# Altium PCB Enigma Rev A.PcbDoc (part 4 of 7)
Units mm, origin at the board's own origin, x right, y up, seen from the top; angles counter-clockwise.
Board outline 239.08 x 138 mm, 6 copper layers (Component Side, Ground Plane (GND), Inner Layer 1, Inner Layer 2, Power Plane (VCC), Solder Side), stack 1.297 mm thick; 563 components, 654 nets, 2409 pads, 1102 vias.
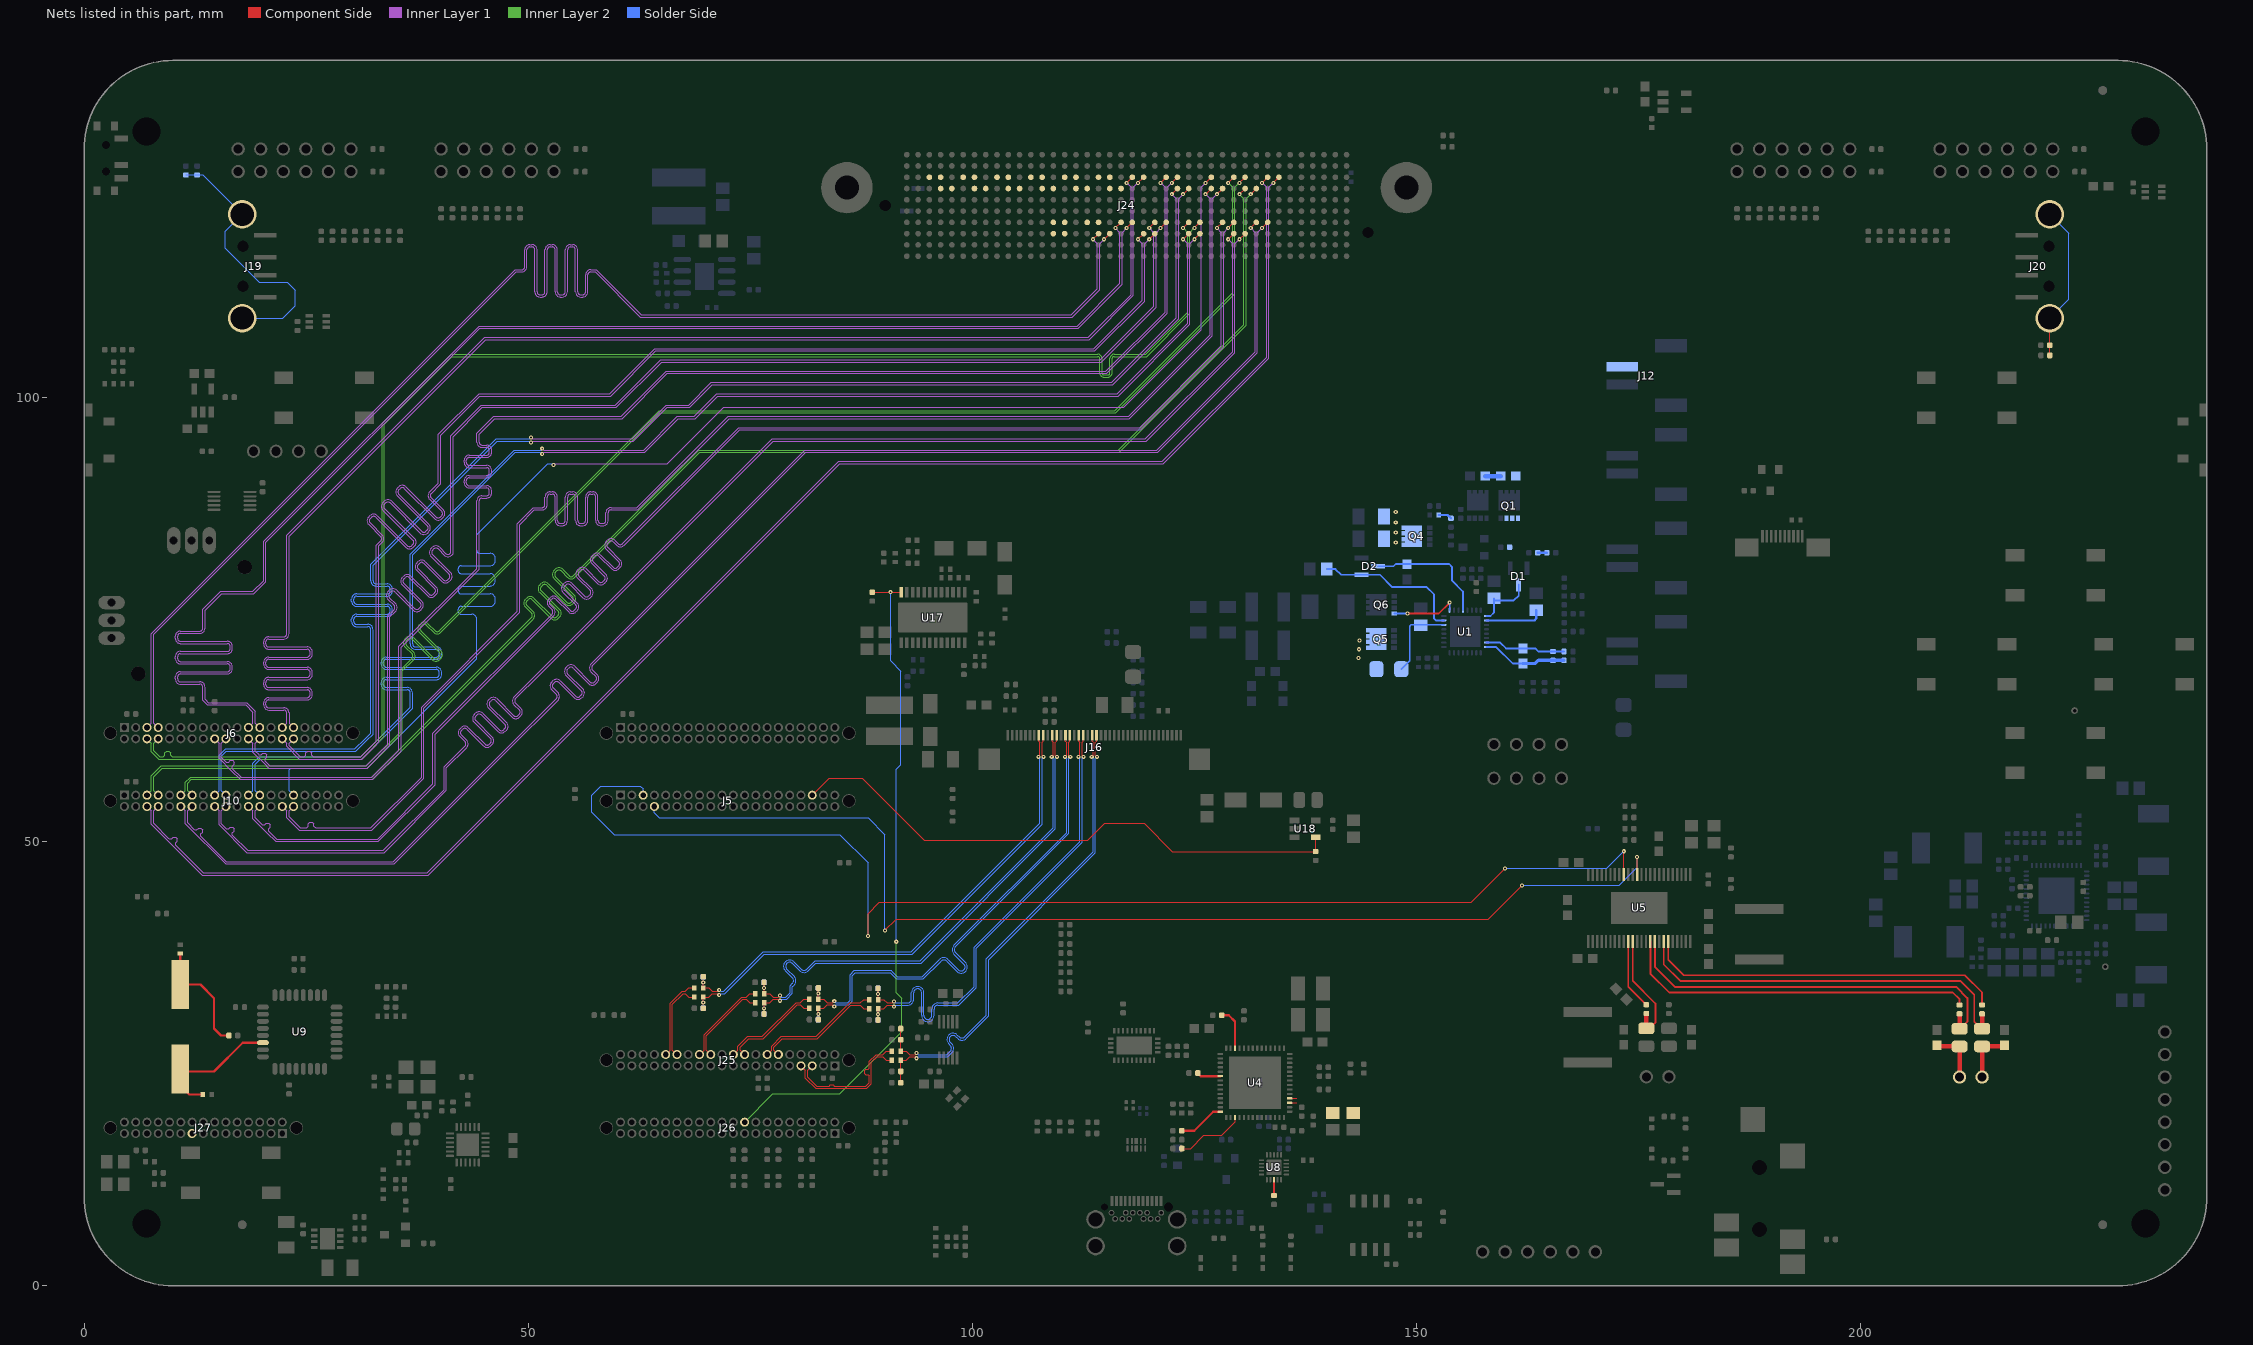
[diagram p8: the nets of this part, all layers, seen from the top]

## Via types
v1: diameter 0.457, hole 0.203, Component Side to Solder Side, tented top, 1032 vias
v2: diameter 0.5, hole 0.2, Component Side to Solder Side, 55 vias
v3: diameter 0.457, hole 0.203, Component Side to Solder Side, 9 vias
v4: diameter 0.5, hole 0.2, Component Side to Solder Side, tented both sides, 6 vias

## Nets (pads, with @x,y where several pads share a name; then routed paths per layer and width w, separated by ;. In a path a pad name is that pad's centre, name@x,y a point inside that pad or via, vN(x,y) a via of type N, cw(c..) or ccw(c..) an arc to the next point about the centre after c; other vN are vias at no path point) (continued)
LA02_P: J10.31 J24.H13 | length 174.7
  Component Side w0.127: v1(126.286,124.206) J24.H13@126.921,124.841
  Inner Layer 1 w0.127: v1(52.832,92.418) 52.997,92.583 65.637,92.583 71.987,98.933 117.072,98.933 125.778,107.639 125.778,123.698 v1(126.286,124.206)
  Solder Side w0.127: J10.31@23.561,55.245 23.053,55.753 23.053,58.105 23.241,58.293 31.855,58.293 44.196,70.634 44.196,75.044 ccw(c43.612,75.044) 43.612,75.629 42.434,75.629 cw(c42.434,75.959) 42.104,75.959 42.104,76.187 cw(c42.434,76.187) 42.434,76.517 45.704,76.517 ccw(c45.704,77.102) 46.288,77.102 46.288,77.33 ccw(c45.704,77.33) 45.704,77.915 42.434,77.915 cw(c42.434,78.245) 42.104,78.245 42.104,78.473 cw(c42.434,78.473) 42.434,78.803 45.704,78.803 ccw(c45.704,79.388) 46.288,79.388 46.288,79.616 ccw(c45.704,79.616) 45.704,80.2 42.434,80.2 cw(c42.434,80.531) 42.104,80.531 42.104,80.759 cw(c42.434,80.759) 42.434,81.09 45.704,81.09 ccw(c45.704,81.674) 46.288,81.674 46.288,81.902 ccw(c45.704,81.902) 45.704,82.486 44.526,82.486 cw(c44.526,82.817) 44.196,82.817 44.196,84.582 52.197,92.583 52.705,92.583 52.832,92.456 v1(52.832,92.418)
LA03_N: J10.23 J24.C15 | length 174.7
  Component Side w0.127: v1(123.746,117.856) J24.C15@124.381,118.491
  Inner Layer 1 w0.127: v1(51.562,94.272) 51.727,94.107 62.992,94.107 66.802,97.917 68.707,97.917 71.247,100.457 116.332,100.457 124.254,108.379 124.254,117.348 v1(123.746,117.856)
  Solder Side w0.127: J10.23@18.481,55.245 18.989,55.753 18.989,58.845 19.707,59.563 31.115,59.563 36.703,65.151 36.703,66.789 ccw(c36.373,66.789) 36.373,67.12 34.013,67.12 cw(c34.013,67.704) 33.429,67.704 33.429,67.932 cw(c34.013,67.932) 34.013,68.516 39.647,68.516 ccw(c39.647,68.847) 39.977,68.847 39.977,69.075 ccw(c39.647,69.075) 39.647,69.406 34.013,69.406 cw(c34.013,69.99) 33.429,69.99 33.429,70.218 cw(c34.013,70.218) 34.013,70.802 39.647,70.802 ccw(c39.647,71.133) 39.977,71.133 39.977,71.361 ccw(c39.647,71.361) 39.647,71.691 37.287,71.691 cw(c37.287,72.276) 36.703,72.276 36.703,82.401 48.409,94.107 51.435,94.107 51.562,94.234 v1(51.562,94.272)
LA03_P: J10.25 J24.C14 | length 174.7
  Component Side w0.127: v1(125.016,117.856) J24.C14@125.651,118.491
  Inner Layer 1 w0.127: v1(51.562,93.688) 51.727,93.853 63.097,93.853 66.907,97.663 68.812,97.663 71.352,100.203 116.437,100.203 124.508,108.274 124.508,117.348 v1(125.016,117.856)
  Solder Side w0.127: J10.25@19.751,55.245 19.243,55.753 19.243,58.74 19.812,59.309 31.22,59.309 36.957,65.046 36.957,66.789 ccw(c36.373,66.789) 36.373,67.373 34.013,67.373 cw(c34.013,67.704) 33.683,67.704 33.683,67.932 cw(c34.013,67.932) 34.013,68.263 39.647,68.263 ccw(c39.647,68.847) 40.231,68.847 40.231,69.075 ccw(c39.647,69.075) 39.647,69.659 34.013,69.659 cw(c34.013,69.99) 33.683,69.99 33.683,70.218 cw(c34.013,70.218) 34.013,70.549 39.647,70.549 ccw(c39.647,71.133) 40.231,71.133 40.231,71.361 ccw(c39.647,71.361) 39.647,71.945 37.287,71.945 cw(c37.287,72.276) 36.957,72.276 36.957,82.296 48.514,93.853 51.435,93.853 51.562,93.726 v1(51.562,93.688)
LA04_N: J10.17 J24.G16 | length 174.7
  Component Side w0.127: v1(122.476,122.936) J24.G16@123.111,123.571
  Inner Layer 1 w0.127: v1(50.292,95.542) 50.457,95.377 61.722,95.377 65.532,99.187 68.072,99.187 70.612,101.727 115.697,101.727 122.984,109.014 122.984,122.428 v1(122.476,122.936)
  Solder Side w0.127: J10.17@14.671,55.245 15.179,55.753 15.179,59.734 15.897,60.452 30.48,60.452 31.623,61.595 32.258,62.23 32.258,73.901 ccw(c31.928,73.901) 31.928,74.231 30.669,74.231 cw(c30.669,74.816) 30.085,74.816 30.085,75.044 cw(c30.669,75.044) 30.669,75.629 34.101,75.629 ccw(c34.101,75.959) 34.431,75.959 34.431,76.187 ccw(c34.101,76.187) 34.101,76.517 30.669,76.517 cw(c30.669,77.102) 30.085,77.102 30.085,77.33 cw(c30.669,77.33) 30.669,77.915 34.101,77.915 ccw(c34.101,78.245) 34.431,78.245 34.431,78.473 ccw(c34.101,78.473) 34.101,78.803 32.842,78.803 cw(c32.842,79.388) 32.258,79.388 32.258,81.258 46.377,95.377 50.165,95.377 50.292,95.504 v1(50.292,95.542)
LA04_P: J10.19 J24.G15 | length 174.7
  Component Side w0.127: v1(123.746,122.936) J24.G15@124.381,123.571
  Inner Layer 1 w0.127: v1(50.292,94.958) 50.457,95.123 61.827,95.123 65.637,98.933 68.177,98.933 70.717,101.473 115.802,101.473 123.238,108.909 123.238,122.428 v1(123.746,122.936)
  Solder Side w0.127: J10.19@15.941,55.245 15.433,55.753 15.433,59.629 16.002,60.198 30.585,60.198 31.803,61.415 32.512,62.125 32.512,73.901 ccw(c31.928,73.901) 31.928,74.486 30.669,74.486 cw(c30.669,74.816) 30.339,74.816 30.339,75.044 cw(c30.669,75.044) 30.669,75.374 34.101,75.374 ccw(c34.101,75.959) 34.685,75.959 34.685,76.187 ccw(c34.101,76.187) 34.101,76.772 30.669,76.772 cw(c30.669,77.102) 30.339,77.102 30.339,77.33 cw(c30.669,77.33) 30.669,77.66 34.101,77.66 ccw(c34.101,78.245) 34.685,78.245 34.685,78.473 ccw(c34.101,78.473) 34.101,79.057 32.842,79.057 cw(c32.842,79.388) 32.512,79.388 32.512,81.153 46.482,95.123 50.165,95.123 50.292,94.996 v1(50.292,94.958)
LA05_N: J10.11 J24.G10 | length 175.1
  Component Side w0.127: v1(130.096,122.936) J24.G10@130.731,123.571
  Inner Layer 2 w0.127: J10.11@10.861,55.245 11.369,55.753 11.369,56.686 11.96,57.277 32.385,57.277 37.338,62.23 50.373,75.265 ccw(c50.139,75.498) 50.47,75.498 ccw(c50.139,75.498) 50.373,75.732 49.645,76.459 cw(c50.058,76.873) 49.645,77.286 49.807,77.447 cw(c50.22,77.034) 50.633,77.447 52.735,75.345 ccw(c52.968,75.579) 53.202,75.345 53.364,75.507 ccw(c53.13,75.74) 53.46,75.74 ccw(c53.13,75.74) 53.364,75.974 51.262,78.076 cw(c51.675,78.489) 51.262,78.902 51.423,79.064 cw(c51.836,78.651) 52.249,79.064 54.351,76.962 ccw(c54.585,77.195) 54.818,76.962 54.98,77.123 ccw(c54.746,77.357) 55.077,77.357 ccw(c54.746,77.357) 54.98,77.59 52.878,79.692 cw(c53.291,80.105) 52.878,80.519 53.04,80.68 cw(c53.453,80.267) 53.866,80.68 54.594,79.953 ccw(c54.827,80.186) 55.061,79.953 69.215,94.107 116.459,94.107 130.604,108.252 130.604,113.411 130.604,122.428 v1(130.096,122.936)
LA05_P: J10.13 J24.G9 | length 175.1
  Component Side w0.127: v1(131.366,122.936) J24.G9@132.001,123.571
  Inner Layer 2 w0.127: J10.13@12.131,55.245 11.623,55.753 11.623,56.581 12.065,57.023 32.49,57.023 37.592,62.125 50.552,75.085 ccw(c50.139,75.498) 50.724,75.498 ccw(c50.139,75.498) 50.552,75.911 49.825,76.639 cw(c50.058,76.873) 49.825,77.106 49.986,77.268 cw(c50.22,77.034) 50.453,77.268 52.555,75.166 ccw(c52.968,75.579) 53.381,75.166 53.543,75.327 ccw(c53.13,75.74) 53.714,75.74 ccw(c53.13,75.74) 53.543,76.154 51.441,78.256 cw(c51.675,78.489) 51.441,78.723 51.603,78.884 cw(c51.836,78.651) 52.07,78.884 54.172,76.782 ccw(c54.585,77.195) 54.998,76.782 55.16,76.944 ccw(c54.746,77.357) 55.331,77.357 ccw(c54.746,77.357) 55.16,77.77 53.058,79.872 cw(c53.291,80.105) 53.058,80.339 53.219,80.501 cw(c53.453,80.267) 53.686,80.501 54.414,79.773 ccw(c54.827,80.186) 55.24,79.773 69.32,93.853 116.564,93.853 130.858,108.147 130.858,113.411 130.858,122.428 v1(131.366,122.936)
LA06_N: J10.5 J24.H11 | length 175.1
  Component Side w0.127: v1(128.826,124.206) J24.H11@129.461,124.841
  Inner Layer 2 w0.127: J10.5@7.051,55.245 7.559,55.753 7.559,57.448 8.658,58.547 31.75,58.547 35.56,62.357 35.56,69.342 36.911,70.693 ccw(c36.677,70.926) 37.008,70.926 ccw(c36.677,70.926) 36.911,71.16 36.098,71.973 cw(c36.511,72.386) 36.098,72.799 36.259,72.961 cw(c36.673,72.548) 37.086,72.961 39.358,70.688 ccw(c39.592,70.922) 39.825,70.688 39.987,70.85 ccw(c39.753,71.083) 40.084,71.083 ccw(c39.753,71.083) 39.987,71.317 37.714,73.589 cw(c38.127,74.002) 37.714,74.415 37.876,74.577 cw(c38.289,74.164) 38.702,74.577 39.515,73.764 ccw(c39.749,73.998) 39.982,73.764 64.77,98.552 116.078,98.552 129.334,111.808 129.334,113.411 129.334,123.698 v1(128.826,124.206)
LA06_P: J10.7 J24.H10 | length 175.1
  Component Side w0.127: v1(130.096,124.206) J24.H10@130.731,124.841
  Inner Layer 2 w0.127: J10.7@8.321,55.245 7.813,55.753 7.813,57.343 8.763,58.293 31.855,58.293 35.814,62.252 35.814,69.237 37.09,70.513 ccw(c36.677,70.926) 37.262,70.926 ccw(c36.677,70.926) 37.09,71.339 36.277,72.152 cw(c36.511,72.386) 36.277,72.619 36.439,72.781 cw(c36.673,72.548) 36.906,72.781 39.179,70.508 ccw(c39.592,70.922) 40.005,70.508 40.166,70.67 ccw(c39.753,71.083) 40.338,71.083 ccw(c39.753,71.083) 40.166,71.496 37.894,73.769 cw(c38.127,74.002) 37.894,74.236 38.056,74.397 cw(c38.289,74.164) 38.522,74.397 39.335,73.584 ccw(c39.749,73.998) 40.162,73.584 64.875,98.298 116.183,98.298 129.588,111.703 129.588,113.411 129.588,123.698 v1(130.096,124.206)
LA07_N: J10.32 J24.G13 | length 175.4
  Component Side w0.127: v1(126.286,122.936) J24.G13@126.921,123.571
  Inner Layer 1 w0.127: J10.32@23.561,53.975 23.053,53.467 23.053,52.832 24.323,51.562 24.892,51.562 25.019,51.562 25.209,51.752 25.209,52.016 25.4,52.206 25.654,52.206 25.845,52.016 25.845,51.752 26.035,51.562 32.258,51.562 37.973,57.277 37.973,65.151 48.768,75.946 48.768,85.83 50.568,87.63 51.549,87.63 ccw(c51.549,87.96) 51.879,87.96 51.879,88.824 cw(c52.464,88.824) 52.464,89.408 52.692,89.408 cw(c52.692,88.824) 53.276,88.824 53.276,86.182 ccw(c53.607,86.182) 53.607,85.852 53.835,85.852 ccw(c53.835,86.182) 54.165,86.182 54.165,88.824 cw(c54.75,88.824) 54.75,89.408 54.978,89.408 cw(c54.978,88.824) 55.562,88.824 55.562,86.182 ccw(c55.893,86.182) 55.893,85.852 56.121,85.852 ccw(c56.121,86.182) 56.451,86.182 56.451,88.824 cw(c57.036,88.824) 57.036,89.408 57.264,89.408 cw(c57.264,88.824) 57.848,88.824 57.848,86.182 ccw(c58.179,86.182) 58.179,85.852 58.407,85.852 ccw(c58.407,86.182) 58.737,86.182 58.737,87.046 cw(c59.322,87.046) 59.322,87.63 62.23,87.63 72.517,97.917 117.602,97.917 126.794,107.109 126.794,122.428 v1(126.286,122.936)
LA07_P: J10.30 J24.G12 | length 175.4
  Component Side w0.127: v1(127.556,122.936) J24.G12@128.191,123.571
  Inner Layer 1 w0.127: J10.30@22.291,53.975 22.799,53.467 22.799,52.727 24.218,51.308 26.035,51.308 32.363,51.308 38.227,57.172 38.227,65.046 49.022,75.841 49.022,85.725 50.673,87.376 51.549,87.376 ccw(c51.549,87.96) 52.133,87.96 52.133,88.824 cw(c52.464,88.824) 52.464,89.154 52.692,89.154 cw(c52.692,88.824) 53.022,88.824 53.022,86.182 ccw(c53.607,86.182) 53.607,85.598 53.835,85.598 ccw(c53.835,86.182) 54.419,86.182 54.419,88.824 cw(c54.75,88.824) 54.75,89.154 54.978,89.154 cw(c54.978,88.824) 55.308,88.824 55.308,86.182 ccw(c55.893,86.182) 55.893,85.598 56.121,85.598 ccw(c56.121,86.182) 56.705,86.182 56.705,88.824 cw(c57.036,88.824) 57.036,89.154 57.264,89.154 cw(c57.264,88.824) 57.594,88.824 57.594,86.182 ccw(c58.179,86.182) 58.179,85.598 58.407,85.598 ccw(c58.407,86.182) 58.991,86.182 58.991,87.046 cw(c59.322,87.046) 59.322,87.376 62.335,87.376 72.622,97.663 117.707,97.663 127.048,107.004 127.048,122.428 v1(127.556,122.936)
LA08_N: J10.26 J24.D12 | length 175.4
  Component Side w0.127: v1(127.556,119.126) J24.D12@128.191,119.761
  Inner Layer 1 w0.127: J10.26@19.751,53.975 19.243,53.467 19.243,52.705 19.939,52.009 20.029,51.919 20.298,51.919 20.484,52.105 20.754,52.105 20.933,51.926 20.933,51.656 20.747,51.47 20.747,51.201 21.656,50.292 33.02,50.292 39.243,56.515 39.243,62.208 52.681,75.646 ccw(c52.447,75.879) 52.777,75.879 ccw(c52.447,75.879) 52.681,76.113 52.288,76.505 cw(c52.701,76.918) 52.288,77.332 52.45,77.493 cw(c52.863,77.08) 53.276,77.493 54.708,76.061 ccw(c54.941,76.295) 55.175,76.061 55.336,76.223 ccw(c55.103,76.457) 55.433,76.457 ccw(c55.103,76.457) 55.336,76.69 53.905,78.122 cw(c54.318,78.535) 53.905,78.948 54.066,79.11 cw(c54.479,78.697) 54.892,79.11 56.324,77.678 ccw(c56.557,77.911) 56.791,77.678 56.953,77.84 ccw(c56.719,78.073) 57.049,78.073 ccw(c56.719,78.073) 56.953,78.307 55.521,79.738 cw(c55.934,80.151) 55.521,80.564 55.683,80.726 cw(c56.096,80.313) 56.509,80.726 57.94,79.294 ccw(c58.174,79.528) 58.407,79.294 58.569,79.456 ccw(c58.336,79.69) 58.666,79.69 ccw(c58.336,79.69) 58.569,79.923 57.137,81.355 cw(c57.55,81.768) 57.137,82.181 57.299,82.342 cw(c57.712,81.929) 58.125,82.342 59.557,80.911 ccw(c59.79,81.144) 60.024,80.911 ; 60.024,80.911 60.186,81.072 ccw(c59.952,81.306) 60.282,81.306 ccw(c59.952,81.306) 60.186,81.539 58.754,82.971 cw(c59.167,83.384) 58.754,83.797 58.915,83.959 cw(c59.329,83.546) 59.742,83.959 60.134,83.566 ccw(c60.368,83.8) 60.601,83.566 73.682,96.647 118.872,96.647 128.064,105.839 128.064,118.618 v1(127.556,119.126)
LA08_P: J10.24 J24.D11 | length 175.4
  Component Side w0.127: v1(128.826,119.126) J24.D11@129.461,119.761
  Inner Layer 1 w0.127: J10.24@18.481,53.975 18.989,53.467 18.989,52.6 20.568,51.021 21.551,50.038 33.125,50.038 39.497,56.41 39.497,62.103 52.86,75.466 ccw(c52.447,75.879) 53.031,75.879 ccw(c52.447,75.879) 52.86,76.292 52.468,76.685 cw(c52.701,76.918) 52.468,77.152 52.629,77.314 cw(c52.863,77.08) 53.096,77.314 54.528,75.882 ccw(c54.941,76.295) 55.354,75.882 55.516,76.044 ccw(c55.103,76.457) 55.687,76.457 ccw(c55.103,76.457) 55.516,76.87 54.084,78.301 cw(c54.318,78.535) 54.084,78.768 54.246,78.93 cw(c54.479,78.697) 54.713,78.93 ; 54.713,78.93 56.144,77.498 ccw(c56.557,77.911) 56.971,77.498 57.132,77.66 ccw(c56.719,78.073) 57.303,78.073 ccw(c56.719,78.073) 57.132,78.486 55.701,79.918 cw(c55.934,80.151) 55.701,80.385 55.862,80.546 cw(c56.096,80.313) 56.329,80.546 57.761,79.115 ccw(c58.174,79.528) 58.587,79.115 58.749,79.276 ccw(c58.336,79.69) 58.92,79.69 ccw(c58.336,79.69) 58.749,80.103 57.317,81.534 cw(c57.55,81.768) 57.317,82.001 57.479,82.163 cw(c57.712,81.929) 57.946,82.163 59.377,80.731 ccw(c59.79,81.144) 60.203,80.731 60.365,80.893 ccw(c59.952,81.306) 60.536,81.306 ccw(c59.952,81.306) 60.365,81.719 58.933,83.151 cw(c59.167,83.384) 58.933,83.618 ; 58.934,83.618 59.095,83.779 cw(c59.329,83.546) 59.562,83.779 59.955,83.387 ccw(c60.368,83.8) 60.781,83.387 73.787,96.393 118.977,96.393 128.318,105.734 128.318,118.618 v1(128.826,119.126)
LA09_N: J10.20 J24.C11 | length 175.3
  Component Side w0.127: v1(128.826,117.856) J24.C11@129.461,118.491
  Inner Layer 1 w0.127: J10.20@15.941,53.975 15.433,53.467 15.433,52.004 15.875,51.562 15.965,51.472 16.234,51.472 16.42,51.658 16.69,51.658 16.869,51.479 16.869,51.209 16.683,51.023 16.683,50.754 18.415,49.022 33.655,49.022 40.513,55.88 40.513,58.42 42.88,60.787 ccw(c42.646,61.02) 42.977,61.02 ccw(c42.646,61.02) 42.88,61.254 42.269,61.864 cw(c42.682,62.278) 42.269,62.691 42.431,62.852 cw(c42.844,62.439) 43.257,62.852 45.125,60.984 ccw(c45.358,61.218) 45.592,60.984 45.754,61.146 ccw(c45.52,61.38) 45.85,61.38 ccw(c45.52,61.38) 45.754,61.613 43.886,63.481 cw(c44.299,63.894) 43.886,64.307 44.047,64.469 cw(c44.46,64.056) 44.873,64.469 46.741,62.601 ccw(c46.975,62.834) 47.208,62.601 47.37,62.762 ccw(c47.136,62.996) 47.467,62.996 ccw(c47.136,62.996) 47.37,63.229 45.502,65.097 cw(c45.915,65.51) 45.502,65.924 45.664,66.085 cw(c46.077,65.672) 46.49,66.085 48.358,64.217 ccw(c48.591,64.451) 48.825,64.217 48.986,64.379 ccw(c48.753,64.612) 49.083,64.612 ccw(c48.753,64.612) 48.986,64.846 48.376,65.457 cw(c48.789,65.87) 48.376,66.283 51.142,69.049 77.47,95.377 119.507,95.377 129.334,105.204 129.334,117.348 v1(128.826,117.856)
LA09_P: J10.18 J24.C10 | length 175.3
  Component Side w0.127: v1(130.096,117.856) J24.C10@130.731,118.491
  Inner Layer 1 w0.127: J10.18@14.671,53.975 15.179,53.467 15.179,51.899 18.31,48.768 33.76,48.768 40.767,55.775 40.767,58.315 43.059,60.607 ccw(c42.646,61.02) 43.231,61.02 ccw(c42.646,61.02) 43.059,61.433 42.449,62.044 cw(c42.682,62.278) 42.449,62.511 42.61,62.673 cw(c42.844,62.439) 43.077,62.673 44.945,60.805 ccw(c45.358,61.218) 45.771,60.805 45.933,60.966 ccw(c45.52,61.38) 46.104,61.38 ccw(c45.52,61.38) 45.933,61.793 44.065,63.66 cw(c44.299,63.894) 44.065,64.127 44.227,64.289 cw(c44.46,64.056) 44.694,64.289 46.562,62.421 ccw(c46.975,62.834) 47.388,62.421 47.55,62.583 ccw(c47.136,62.996) 47.721,62.996 ccw(c47.136,62.996) 47.55,63.409 45.682,65.277 cw(c45.915,65.51) 45.682,65.744 45.843,65.906 cw(c46.077,65.672) 46.31,65.906 48.178,64.038 ccw(c48.591,64.451) 49.004,64.038 ; 49.005,64.038 49.166,64.199 ccw(c48.753,64.612) 49.337,64.612 ccw(c48.753,64.612) 49.166,65.025 48.555,65.636 cw(c48.789,65.87) 48.555,66.103 51.321,68.869 77.575,95.123 119.612,95.123 129.588,105.099 129.588,117.348 v1(130.096,117.856)
LA10_N: J10.14 J24.D9 | length 175.4
  Component Side w0.127: v1(131.366,119.126) J24.D9@132.001,119.761
  Inner Layer 1 w0.127: J10.14@12.131,53.975 11.623,53.467 11.623,52.131 12.319,51.435 12.409,51.345 12.678,51.345 12.864,51.531 13.134,51.531 13.313,51.352 13.313,51.082 13.127,50.896 13.127,50.627 16.002,47.752 34.798,47.752 47.515,60.469 53.167,66.121 ccw(c52.933,66.354) 53.264,66.354 ccw(c52.933,66.354) 53.167,66.588 52.613,67.142 cw(c53.026,67.555) 52.613,67.968 52.775,68.13 cw(c53.188,67.716) 53.601,68.13 55.355,66.375 ccw(c55.589,66.609) 55.822,66.375 55.984,66.537 ccw(c55.75,66.77) 56.08,66.77 ccw(c55.75,66.77) 55.984,67.004 54.229,68.758 cw(c54.642,69.171) 54.229,69.584 54.391,69.746 cw(c54.804,69.333) 55.217,69.746 56.972,67.992 ccw(c57.205,68.225) 57.439,67.992 57.6,68.153 ccw(c57.367,68.387) 57.697,68.387 ccw(c57.367,68.387) 57.6,68.62 57.046,69.174 cw(c57.459,69.587) 57.046,70 81.153,94.107 120.777,94.107 131.874,105.204 131.874,118.618 v1(131.366,119.126)
LA10_P: J10.12 J24.D8 | length 175.4
  Component Side w0.127: v1(132.636,119.126) J24.D8@133.271,119.761
  Inner Layer 1 w0.127: J10.12@10.861,53.975 11.369,53.467 11.369,52.026 15.897,47.498 34.903,47.498 47.694,60.289 53.346,65.941 ccw(c52.933,66.354) 53.518,66.354 ccw(c52.933,66.354) 53.346,66.767 52.793,67.321 cw(c53.026,67.555) 52.793,67.788 52.954,67.95 cw(c53.188,67.716) 53.421,67.95 55.176,66.196 ccw(c55.589,66.609) 56.002,66.196 56.163,66.357 ccw(c55.75,66.77) 56.334,66.77 ccw(c55.75,66.77) 56.163,67.183 54.409,68.938 cw(c54.642,69.171) 54.409,69.405 54.571,69.566 cw(c54.804,69.333) 55.038,69.566 56.792,67.812 ccw(c57.205,68.225) 57.618,67.812 57.78,67.974 ccw(c57.367,68.387) 57.951,68.387 ccw(c57.367,68.387) 57.78,68.8 57.226,69.354 cw(c57.459,69.587) 57.226,69.821 81.258,93.853 120.882,93.853 132.128,105.099 132.128,118.618 v1(132.636,119.126)
LA11_N: J10.8 J24.H8 | length 175.4
  Component Side w0.127: v1(132.636,124.206) J24.H8@133.271,124.841
  Inner Layer 1 w0.127: J10.8@8.321,53.975 7.813,53.467 7.813,52.07 9.464,50.419 9.554,50.329 9.823,50.329 10.009,50.515 10.279,50.515 10.458,50.336 10.458,50.066 10.272,49.88 10.272,49.611 13.401,46.482 38.63,46.482 84.985,92.837 121.412,92.837 133.144,104.569 133.144,123.698 v1(132.636,124.206)
LA11_P: J10.6 J24.H7 | length 175.4
  Component Side w0.127: v1(133.906,124.206) J24.H7@134.541,124.841
  Inner Layer 1 w0.127: J10.6@7.051,53.975 7.559,53.467 7.559,51.965 10.093,49.431 13.296,46.228 38.735,46.228 85.09,92.583 121.517,92.583 133.398,104.464 133.398,123.698 v1(133.906,124.206)
LA12_N: J6.32 J24.C19 | length 175.4
  Component Side w0.127: v1(118.666,117.856) J24.C19@119.301,118.491
  Inner Layer 1 w0.127: J6.32@23.561,61.595 23.053,61.087 23.053,60.833 24.323,59.563 24.638,59.563 24.765,59.563 24.956,59.753 24.956,60.017 25.146,60.207 25.4,60.207 25.59,60.017 25.59,59.753 25.781,59.563 26.035,59.563 31.115,59.563 32.512,60.96 32.893,61.341 32.893,83.417 33.377,83.901 ccw(c33.143,84.134) 33.473,84.134 ccw(c33.143,84.134) 33.377,84.368 32.003,85.741 cw(c32.416,86.154) 32.003,86.567 32.165,86.729 cw(c32.578,86.316) 32.991,86.729 36.384,83.336 ccw(c36.618,83.569) 36.851,83.336 37.013,83.497 ccw(c36.78,83.731) 37.11,83.731 ccw(c36.78,83.731) 37.013,83.964 33.62,87.358 cw(c34.033,87.771) 33.62,88.184 33.781,88.345 cw(c34.194,87.932) 34.608,88.345 38.001,84.952 ccw(c38.234,85.186) 38.468,84.952 38.629,85.114 ccw(c38.396,85.347) 38.726,85.347 ccw(c38.396,85.347) 38.629,85.581 35.236,88.974 cw(c35.649,89.387) 35.236,89.8 35.398,89.962 cw(c35.811,89.549) 36.224,89.962 39.617,86.569 ccw(c39.851,86.802) 40.084,86.569 40.246,86.73 ccw(c40.012,86.964) 40.343,86.964 ccw(c40.012,86.964) 40.246,87.197 38.873,88.571 cw(c39.286,88.984) 38.873,89.397 39.878,90.402 39.878,95.885 44.45,100.457 59.182,100.457 64.262,105.537 113.713,105.537 119.174,110.998 119.174,117.348 v1(118.666,117.856)
LA12_P: J6.30 J24.C18 | length 175.4
  Component Side w0.127: v1(119.936,117.856) J24.C18@120.571,118.491
  Inner Layer 1 w0.127: J6.30@22.291,61.595 22.799,61.087 22.799,60.728 24.218,59.309 31.22,59.309 32.692,60.78 33.147,61.236 33.147,83.312 33.556,83.721 ccw(c33.143,84.134) 33.727,84.134 ccw(c33.143,84.134) 33.556,84.547 32.183,85.921 cw(c32.416,86.154) 32.183,86.388 32.345,86.549 cw(c32.578,86.316) 32.811,86.549 36.205,83.156 ccw(c36.618,83.569) 37.031,83.156 37.193,83.318 ccw(c36.78,83.731) 37.364,83.731 ccw(c36.78,83.731) 37.193,84.144 33.799,87.537 cw(c34.033,87.771) 33.799,88.004 33.961,88.166 cw(c34.194,87.932) 34.428,88.166 37.821,84.773 ccw(c38.234,85.186) 38.647,84.773 38.809,84.934 ccw(c38.396,85.347) 38.98,85.347 ccw(c38.396,85.347) 38.809,85.76 35.416,89.154 cw(c35.649,89.387) 35.416,89.621 35.577,89.782 cw(c35.811,89.549) 36.044,89.782 39.438,86.389 ccw(c39.851,86.802) 40.264,86.389 40.425,86.551 ccw(c40.012,86.964) 40.597,86.964 ccw(c40.012,86.964) 40.425,87.377 39.052,88.75 cw(c39.286,88.984) 39.052,89.217 40.132,90.297 40.132,95.78 44.555,100.203 59.287,100.203 64.367,105.283 113.818,105.283 119.428,110.893 119.428,117.348 v1(119.936,117.856)